# KiCad board VLF4_PCB.kicad_pcb (continued)
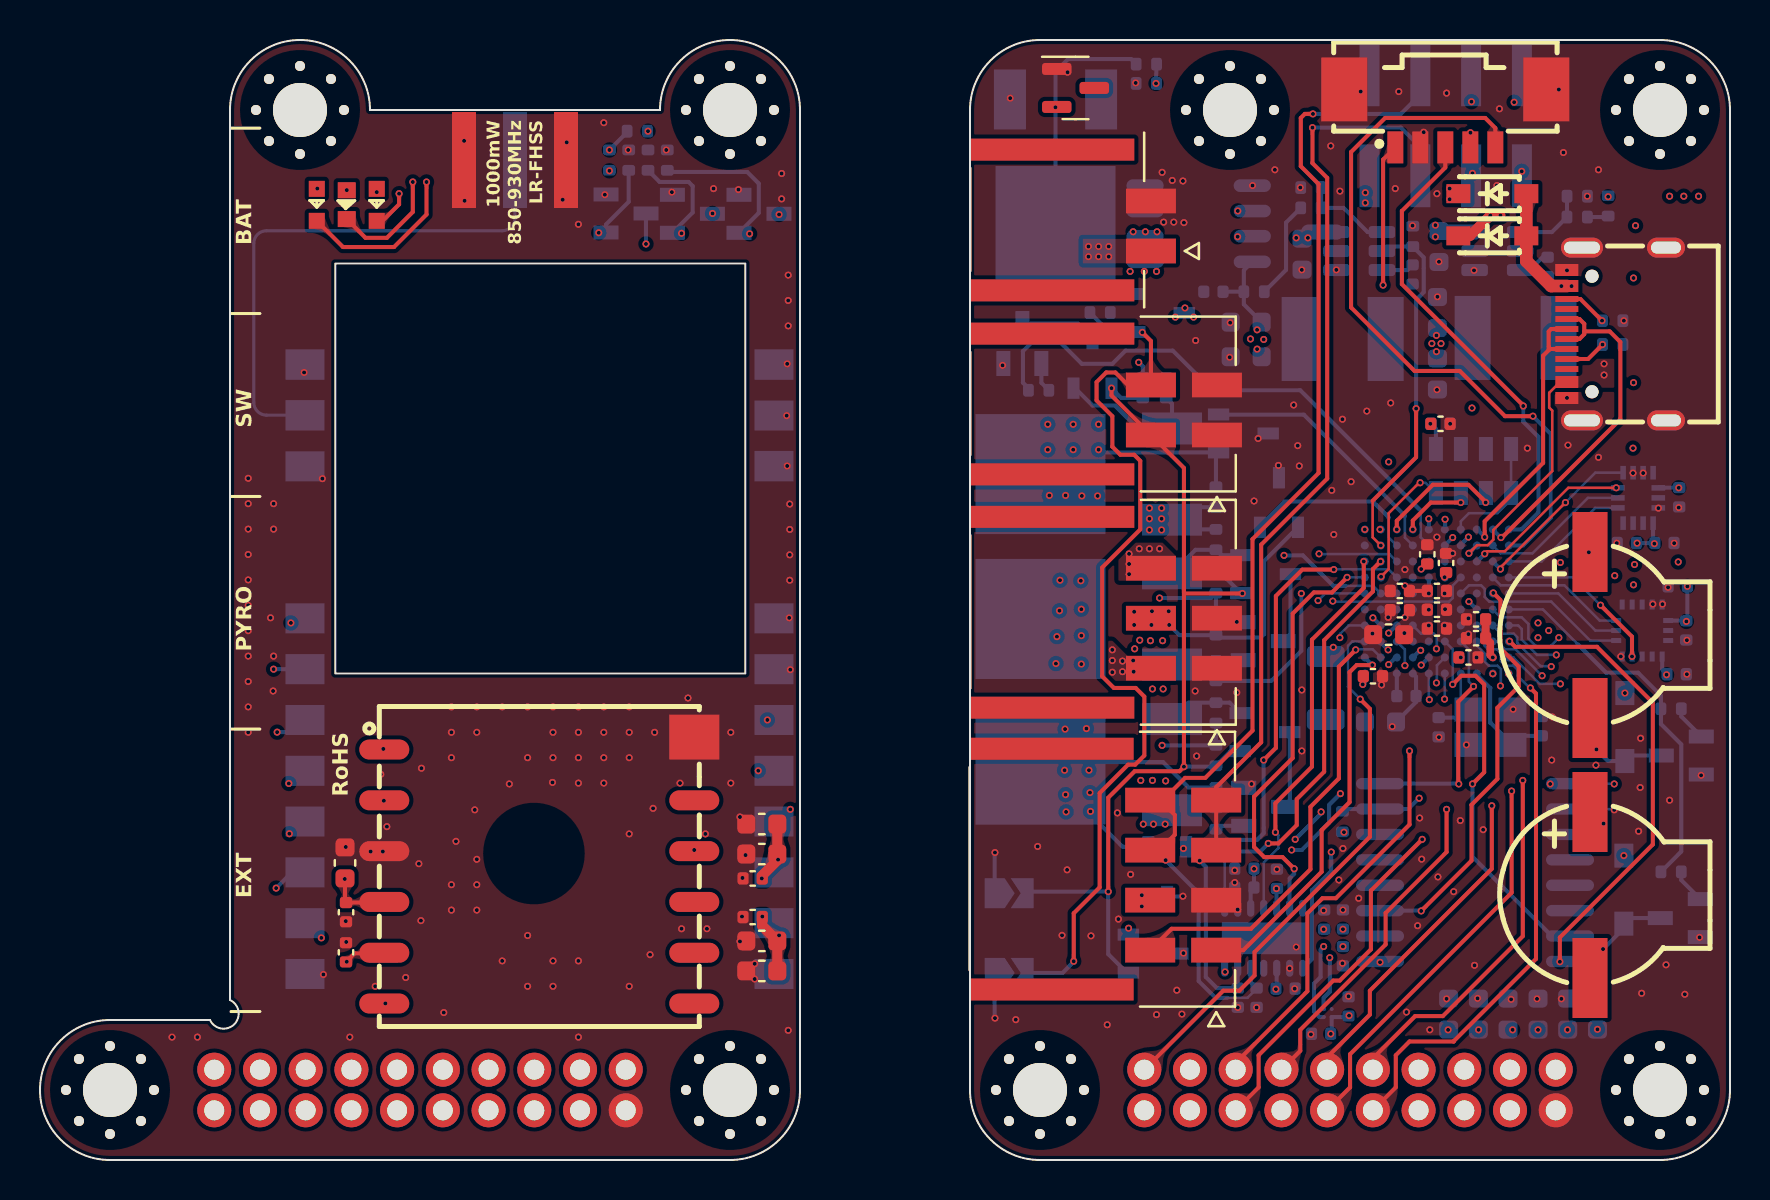
[diagram p0: board, top side]
## Routing (per net, layer and track width the routed paths; a pad name or vN(x,y) marks a point on that pad's centre or on a via; arc(x,y) is an arc through that point) (continued)
/Base Board/Pyro/PYRO_3: length 11.3
  Bottom w0.203: 58.94,33.81 R22.2 58.8,35.25 Q15.1 51.1,35.38 50.02,34.3
  vias: v1(50.39,36.79) v1(50.39,35.52) v1(50.47,33.23) v1(51.28,33.23) v1(51.66,36.79) v1(51.66,35.52) v1(52.09,33.2) v1(52.93,36.79) v1(52.93,35.52) v1(52.88,33.2) v1(54.45,30.31) v1(54.45,29.8) v1(54.45,29.29) v1(54.96,30.56) v1(55.47,30.56) v1(55.98,30.56)
/Base Board/Pyro/PYRO_PWR: length 16.9
  Bottom w0.203: R19.1 R20.1 55.14,39.68 v1(54.94,39.88) ; R11.1 R12.1 56.11,20.73 v1(56.1,20.73) ; Q4.2 58.68,17.49 R14.1 ; R22.1 57.23,32.64 Q14.2 57.09,31.53 R15.1 ; R18.1 R16.1 58.55,28.1 v1(55.98,28.1)
  vias: v1(54.5,44.43) v1(54.66,46.41) v1(54.73,25.56) v1(54.99,25.99) v1(55.04,18.98) v1(55.22,44.43) v1(55.17,16.8) v1(55.27,46.41) v1(55.47,32.59) v1(55.47,32.06) v1(55.47,31.5) v1(55.52,25.96) v1(55.62,23.55) v1(55.62,18.98) v1(55.67,16.8) v1(55.83,44.43) v1(55.85,46.41) v1(56.08,32.59) v1(56.08,32.06) v1(56.08,31.5) v1(56.13,25.96) v1(56.16,23.55) v1(56.28,18.95) v1(56.26,16.8)
/Base Board/RED_LED_CTRL: length 31.4
  In.Cu w0.203: J1.5 72.36,3.63 72.36,5.29 72.97,5.9 73.78,5.9 74.16,6.28 74.16,8.79 78.36,12.99 78.36,15.7 79.42,16.77 79.42,21.65 v1(75.82,25.25)
  Bottom w0.127: U9.A4 73.91,26.73 74.09,26.55 74.09,26.02 74.85,25.25 v1(75.82,25.25)
/Base Board/STM/EXT_1_UART_RX: length 23
  Top w0.203: v1(65.78,25.51) 64.94,24.67 64.94,19.08 63.52,17.66 63.52,14.53 60.55,11.56 56.58,11.56 J_EXT1.5
  Bottom w0.127: v1(65.78,25.51) 65.81,25.53 66.63,25.53 U9.J2
/Base Board/STM/EXT_1_UART_TX: length 19.3
  Top w0.203: v1(66.62,24.75) 65.83,24.75 65.48,24.39 65.48,17.89 64.08,16.49 64.08,14.41 60.16,10.49 J_EXT1.1
  Bottom w0.127: U9.K2 66.24,25.13
  Bottom w0.203: 66.24,25.13 v1(66.62,24.75)
/Base Board/STM/EXT_2_I2C_SCL: length 20
  In.Cu w0.127: v1(71.42,31.15) 71.41,31.16 71.41,32 71.47,32.06
  In.Cu w0.203: 71.47,32.06 71.47,32.71 73.53,34.76 73.53,38.49 74.09,39.05 v1(74.09,49.43)
  Bottom w0.127: U9.D9 71.04,30.77
  Bottom w0.203: 71.04,30.77 v1(71.42,31.15)
/Base Board/STM/EXT_2_I2C_SDA: length 23.6
  In.Cu w0.127: 70.58,31.1 70.62,31.13 70.62,33.14 71.29,33.81
  In.Cu w0.203: 71.29,33.81 72.89,35.41 72.89,38.97 73.48,39.55 73.48,52.66 v1(73.71,52.89)
  Bottom w0.203: 70.58,31.1 70.58,31.07 U9.E9
  vias: v1(70.63,31.12)
/Base Board/STM/EXT_2_UART_RX: length 18.8
  In.Cu w0.127: v1(70.25,32.04) 70.25,33.89
  In.Cu w0.203: 70.25,33.89 72.18,35.82 72.18,46.21 71.62,46.77 v1(71.62,49.33)
  Bottom w0.127: 70.25,31.54 U9.E10
  Bottom w0.203: v1(70.25,32.04) 70.25,31.54
/Base Board/STM/EXT_2_UART_TX: length 22.3
  In.Cu w0.127: 69.44,34.65 v1(69.44,32.06)
  In.Cu w0.203: 69.44,34.65 70.99,36.2 70.99,52.33 v1(71.57,52.91)
  Bottom w0.203: v1(69.44,32.06) U9.F10
/Base Board/STM/nRST: length 32.5
  Top w0.203: v1(67.15,43.74) 67.15,50.02 SWD1.1
  Ground1 w0.203: v1(71.6,37.6) 67.15,42.04 v1(67.15,43.74)
  In.Cu w0.127: v1(71.6,37.6) 71.6,36.23 69.82,34.45 69.82,31.83 70.25,31.4 70.25,29.9 69.82,29.47 69.82,26.42 69.44,26.04 69.44,25.1 70.23,24.31 v1(70.23,23.04)
  Bottom w0.127: U9.E1 70.24,23.06 v1(70.23,23.04)
/Base Board/STM/SWDCLK: length 36.3
  Top w0.203: SWD1.5 72.77,51.03 72.77,51.03 72.77,51.59 72.26,52.1 67.26,52.1 65.55,50.4 65.55,42.63 68.73,39.45 70.99,39.45 73.25,37.19 v1(74.65,37.19)
  Bottom w0.203: v1(74.65,37.19) 75.54,36.3 75.54,32.11 74.15,30.73 U9.A9
/Base Board/STM/SWDIO: length 23.8
  Top w0.203: SWD1.3 70.27,49.63 68.09,47.45 68.09,43.8 74.16,37.72 v1(74.16,37.7)
  Bottom w0.203: U9.A10 74.06,31.53 74.93,32.39 74.93,36.15 74.16,36.91 v1(74.16,37.7)
/Extension Board/BLUE_LED_CTRL: length 58.3
  In.Cu w0.203: v1(35.48,46.31) 35.91,45.88 35.91,21.29 21.28,6.66 21.28,3.62 J2.9
  Bottom w0.203: R31.1 31.44,49.4 35.36,49.4 35.94,48.82 35.94,47.35 Q20.1
/Extension Board/GPS_nRST: length 15.4
  Ground1 w0.203: J2.3 28.14,3.62 28.14,10.88 32.71,15.45 v1(32.71,15.5)
/Extension Board/GPS_PPS: length 5
  Ground1 w0.203: v1(17.27,7.83) 18.08,7.83 20.14,5.77 J2.10
/Extension Board/GPS_RX: length 17.6
  Ground1 w0.203: v1(17.17,20.55) 13.28,16.67 J2.16
/Extension Board/GPS_TX: length 25.1
  Ground1 w0.203: J2.18 11,16.11 16.76,21.88 17.42,21.88 18.18,21.11 18.18,18.93 17.22,17.96 v1(17.19,17.96)
/Extension Board/GREEN_LED_CTRL: length 65.8
  Power w0.203: J2.13 16.71,3.62 16.71,5.24 22.22,10.75 26.69,10.75 33.8,17.86 35.76,17.86 37.16,19.26 37.16,23.12 36.42,23.86 36.42,45.07 35.99,45.5 32.91,45.5 v1(32.08,46.34)
  Bottom w0.203: Q19.1 32.64,47.38 32.64,48.7 32.43,48.9 30.98,48.9 R30.1
/Extension Board/LORA_BUSY: length 15.4
  Ground2 w0.203: v1(11.81,13.59) 11.81,10.95 16.71,6.05 16.71,3.63 J2.11
  Bottom w0.203: 12.92,14.38 12.59,14.38 v1(11.81,13.59)
  Bottom w0.508: U11.14 12.92,14.38
/Extension Board/LORA_CS: length 28.4
  Ground2 w0.203: v1(12.54,26.85) 12.42,26.85 10.94,25.38 10.94,16.8 14.47,13.26 15.49,13.26 22.43,6.33 J2.8
/Extension Board/LORA_DIO1: length 8.2
  Ground2 w0.203: v1(14.07,11.11) 14.07,10.29 17.86,6.5 J2.12
/Extension Board/LORA_DIO2: length 22.3
  Power w0.203: v1(37.51,17.53) 36.24,16.26 34.54,16.26 23.57,5.29 23.57,3.62 J2.7
/Extension Board/LORA_MISO: length 17.9
  Power w0.203: 8.71,2.52 9.85,3.66 9.85,5.21 11.22,6.58 11.22,17.61 v1(12.44,18.83)
/Extension Board/LORA_MOSI: length 19.8
  Power w0.203: 8.71,4.55 8.71,4.86 10.31,6.46 10.31,19.84 v1(11.86,21.39)
  Bottom w0.203: v1(11.86,21.39) 12.64,21.39 U11.17
/Extension Board/LORA_nRST: length 17.6
  Ground2 w0.203: v1(12.47,16.31) 13.71,16.31 24.72,5.31 J2.6
/Extension Board/LORA_RXEN: length 35.9
  Power w0.203: v1(36.37,22) 24.76,22 14.68,11.92 14.68,7.47 14.42,7.22 14.42,3.62 J2.15
/Extension Board/LORA_SCK: length 25.5
  Power w0.203: J2.17 12.14,3.62 12.14,10.51 13.64,12.01 13.64,22.59 v1(11.68,24.54)
  Bottom w0.203: v1(11.68,24.54) 13.25,24.54 U11.18
/Extension Board/LORA_TXEN: length 28.7
  Power w0.203: v1(35.91,19.46) 30.52,19.46 27.99,16.93 27.99,14.08 25.9,11.99 22.27,11.99 15.57,5.29 J2.14
/Extension Board/RED_LED_CTRL: length 62.6
  In.Cu w0.203: v1(27.94,46.36) 29.54,47.96 35.1,47.96 36.8,46.26 36.8,18.07 25.85,7.12 25.85,3.62 J2.5
  Bottom w0.203: R29.1 29.44,47.91 28.3,46.78 Q18.1
Net-(C28-Pad1):
  vias: v1(70.23,29.14)
Net-(C29-Pad1): length 0.5
  Bottom w0.203: U9.F8 v1(69.06,29.55)
Net-(D3-+): length 3.6
  Bottom w0.203: Q16.3 79.52,20.22 D3.2 78.4,19.95 v1(77.82,20.53)
Net-(D4-+): length 3.6
  Bottom w0.203: v1(78.15,10.55) 79.19,11.59 D4.2 79.47,12.1 Q17.3
Net-(LED1-A): length 19.2
  Top w0.203: LED1.2 v1(15.34,48.49)
  Ground1 w0.203: v1(15.34,48.49) 18.23,51.39 25.25,51.39 27.79,48.85 29.13,48.85 30.4,50.12 v1(30.4,51.44)
Net-(LED1-C): length 25.8
  Top w0.203: v1(18.64,48.9) 18.64,47.4 17.34,46.11 16.28,46.11 LED1.1
  Ground1 w0.203: v1(18.64,48.9) 18.64,49.13 19.05,49.54 25.55,49.54 28.32,46.77 36.45,46.77 v1(36.95,47.28)
Net-(LED_G1-C): length 20.6
  Top w0.203: LED_G1.1 17.13,46.96 17.95,47.78 v1(17.95,48.32)
  Ground1 w0.203: v1(33.63,47.33) 33.55,47.4 28.47,47.4 25.45,50.42 18.67,50.42 17.95,49.71 v1(17.95,48.32)
Net-(LED_R1-A): length 17
  Top w0.203: LED_R1.2 13.85,48.56 v1(13.86,48.57)
  Ground1 w0.203: v1(28.47,49.46) 26.11,51.82 17.12,51.82 v1(13.86,48.57)
Net-(LED_R1-K): length 22.1
  Top w0.203: LED_R1.1 15.15,45.65 17.7,45.65 19.33,47.28 v1(19.33,48.9)
  Ground1 w0.203: v1(19.33,48.9) 23.52,48.9 26.62,45.8 v1(30.3,45.8)
  Bottom w0.203: v1(30.3,45.8) 30.3,47.32 Q18.3
Net-(Q4-G): length 4
  Bottom w0.203: Q5.2 59.48,22.87 R11.2 57.42,22.87 Q4.1
Net-(Q5-D): length 3.9
  Bottom w0.203: Q5.3 62.49,17.96 Q6.3
Net-(Q6-B): length 1.5
  Bottom w0.203: Q6.1 58.96,16.71 R13.1
Net-(Q8-D): length 3.5
  Bottom w0.203: Q8.3 62.53,26.31 Q9.3
Net-(Q9-B): length 1.4
  Bottom w0.203: R17.1 58.81,24.99 Q9.1
Net-(Q10-G): length 4
  Bottom w0.203: Q8.2 59.06,30.24 R15.2 57.78,30.51 Q10.1
Net-(Q12-D): length 3.8
  Bottom w0.203: Q12.3 52.63,41.08 51.88,41.82 Q13.3
Net-(Q12-S): length 7.4
  Bottom w0.203: Q12.2 51.76,38.59 52.63,37.72 53.75,37.72 54.9,36.58 Q14.1 56.6,37.81 R19.2
Net-(Q13-B): length 1.5
  Bottom w0.203: R21.1 50.07,38.86 Q13.1
Net-(Q16-B): length 1.8
  Bottom w0.203: R23.2 82.07,22.17 Q16.1
Net-(Q17-B): length 1.8
  Bottom w0.203: Q17.1 82.07,13.99 R24.2
Net-(R5-Pad1): length 1.1
  Bottom w0.203: R6.1 78.36,47.15 R5.1
Net-(R8-Pad1): length 4.9
  Bottom w0.203: R8.1 63.04,47.6 62.3,46.87 62.3,44.5 R9.1
Net-(U2-BST): length 1.6
  Bottom w0.203: 75.38,45.14 75.13,45.14 74.48,44.5 U2.6
Net-(U2-FB): length 3.7
  Bottom w0.203: U2.4 75.6,46.4 R5.2 76.35,47.15 R4.2
Net-(U3-BST): length 1.6
  Bottom w0.203: U3.6 68.37,44.5 C7.1
Net-(U3-FB): length 4.6
  Bottom w0.203: U3.4 66.38,46.4 65.17,47.61 R8.2 R7.2
Net-(U9-PH0): length 6
  Bottom w0.203: U9.C1 71.84,24.28 72.51,23.6 72.51,21.87 X1.3 74.07,21.21 C32.1
Net-(U9-PH1): length 3.6
  Bottom w0.127: U9.D1 71.04,22.9
  Bottom w0.203: C33.1 71.02,22.12 X1.1 71.04,22.9
Net-(U9-VDDA): length 1.1
  Bottom w0.203: C24.1 67.84,24.33 U9.H1
Net-(U11-ANT): length 27.6
  Bottom w0.156: U11.21 13.24,37.24 11.32,37.24 arc(10.88,37.43) 10.69,37.88 10.69,45.83 arc(10.88,46.28) 11.32,46.46 23.11,46.46 arc(23.56,46.65) 23.75,47.1 23.75,50 RF1.5
Net-(USB1-CC1): length 2.1
  Top w0.203: USB1.A5 77.4,40.05 v1(78.13,40.77)
Net-(USB1-CC2): length 2.2
  Top w0.203: v1(78.1,41.97) 77.02,43.05 USB1.B5

## Copper pours and planes (outline as drawn; the poured copper is in the pictures)
/Base Board/GND on Top, Bottom, Ground1, In.Cu, Ground2: 75.33,60.71 87.07,59.36 87.88,-2.49 42.19,-2.16 43.13,59.9
/Base Board/Peripherals/3V3 on Top: 69.64,25.79 69.64,28.83 68.2,28.83 68.2,27.11 67.74,26.73 67.74,25.79
/Base Board/Peripherals/3V3 on Bottom: 72.44,5.97 74.85,3.56 71.4,3.56 71.4,4.63 69.9,6.13 69.9,6.99 72.44,6.99
/Base Board/Peripherals/3V3 on Bottom: 72.51,43.21 70.74,43.21 69.39,41.87 69.39,40.34 70.74,38.99 72.51,38.99
/Base Board/Peripherals/3V3 on Bottom: 63.9,11.82 65.78,11.82 66.14,11.46 66.14,10.93 65.6,10.39 64.82,10.39 63.9,11.31
/Base Board/Peripherals/3V3 on In.Cu: 85.7,48.7 85.7,24.19 85.09,23.58 74.22,23.58 74.22,34.68 78.74,34.68 78.74,48.7
/Base Board/Peripherals/3V3 on Power: 43.84,58.55 43.84,-1.16 43.91,-1.24 86.15,-1.24 88.03,0.64 88.03,57.72
/Base Board/Peripherals/5V on Bottom: 63.88,43.16 60.71,43.16 60.5,42.93 60.5,38.94 63.85,38.94 63.88,38.97
/Base Board/Peripherals/5V on Bottom: 76.2,3.56 75.36,3.56 72.74,6.18 72.74,6.99 78.51,6.99 78.51,5.87
/Base Board/Peripherals/5V on Power: 62.25,15.27 61.24,15.27 61.24,12.93 62.25,12.93 62.25,7.91 55.77,7.91 55.77,40.32 62.25,40.32
/Base Board/Peripherals/5V on Power: 73.5,3.51 84.68,3.51 84.68,47.66 62.18,47.66 56.21,41.69 56.21,39.88 68.93,39.88 68.93,41.71 70.71,41.71 70.71,39.88 75.84,39.88 75.84,9.38 73.5,7.04
/Extension Board/5V on Ground1: 28.14,3.54 32.86,3.54 38.17,8.85 38.17,17.4 38.1,17.48 35.91,17.48 35.91,12.96 28.14,5.21
/Extension Board/GND on Top, Bottom, Ground1, In.Cu, Power, Ground2: 39.93,58.83 -1.02,58.83 -1.02,-2.53 -0.66,-2.89 39.01,-2.89 40.2,-1.7 40.2,58.55
/Base Board/Power/PWR_IN on Top: 55.72,46.06 52.14,46.06 52.14,44.84 55.72,44.84
/Base Board/Power/SW_BAT on Power, Ground2: 70.68,45.65 70.68,48.77 46.38,48.77 45.21,47.61 45.21,13.26 46.1,12.38 57.04,12.38 57.04,16.13 51.86,16.13 51.86,41.94 57.78,41.94 60.3,44.46 60.3,45.65
/Base Board/Power/USB_IN on Top: 75.76,39.2 76.58,39.2 77.09,39.71 77.09,40.06 78.74,40.06 78.74,38.61 76.35,38.61
/Base Board/Power/USB_IN on Bottom: 75.74,44.07 77.8,44.07 77.8,40.65 78.61,39.83 78.61,38.92 75.74,38.92
/Base Board/Pyro/PYRO_1 on Top: 56.79,25.2 54.38,25.2 53.62,25.96 53.23,25.96 53.23,23.96 56.79,23.96
/Base Board/Pyro/PYRO_1 on Ground1, In.Cu: 56.79,25.86 46.76,25.86 46.76,16.77 53.26,16.77 53.26,20.5 56.79,23.98
/Base Board/Pyro/PYRO_2 on Ground1, In.Cu: 53.26,30.05 53.26,28.78 53.62,28.43 56.79,28.43 56.79,25.74 53.59,25.74 53.26,25.41 53.26,24.06 46.76,24.06 46.76,30.05
/Base Board/Pyro/PYRO_3 on Top: 56.79,28.96 56.79,30.21 56.13,30.87 54.12,30.87 53.92,30.66 53.92,28.96
/Base Board/Pyro/PYRO_3 on Ground1, In.Cu: 56.79,30.21 53.26,33.74 53.26,37.29 46.76,37.29 46.76,28.25 56.79,28.25
/Base Board/Pyro/PYRO_PWR on Bottom: 56.49,19.36 54.66,19.36 54.66,16.49 56.49,16.49
/Base Board/Pyro/PYRO_PWR on Bottom: 56.49,26.24 54.56,26.24 54.56,23.27 56.49,23.27
/Base Board/Pyro/PYRO_PWR on Bottom: 56.49,46.64 54.05,46.64 54.05,43.06 53.46,42.47 53.46,42.07 56.49,42.07
/Base Board/Pyro/PYRO_PWR on Power, Ground2: 56.49,46.64 56.49,16.13 51.86,16.13 51.86,46.64
Net-(Q1-S) on Bottom: 53.79,53.09 56.49,50.4 56.49,46.97 54.2,46.97 54.2,49.89 52.24,51.85 52.24,53.09
Net-(U2-SW) on Bottom: 71.24,45.75 73.17,45.75 73.17,44.23 73.38,44.02 75.99,44.02 76.83,43.19 76.83,38.99 72.72,38.99 72.72,43.31 72.41,43.62 72.41,45.14 71.85,45.14
Net-(U3-SW) on Bottom: 64.46,45.75 66.24,45.75 66.24,44.18 69.06,44.18 69.06,43.39 68.17,42.5 68.17,38.97 64.16,38.97 64.16,43.16 65.71,44.71 65.71,45.14 64.46,45.14
Net-(U9-VDDA) on Bottom: 68.22,23.65 63.22,23.65 63.22,21.44 66.6,21.44 68.22,23.07

Small or netless copper shapes (teardrops, artwork), in the pictures only: 110 on Top, 346 on Bottom, 25 on Ground1, 83 on In.Cu, 14 on Power, 8 on Ground2

## Text on the board
B.Silkscreen: ARM | PWR
F.Mask: r1 | Void Lake Fusion 4
F.Silkscreen: 1000mW / 850-930MHz / LR-FHSS | BAT | SW | PYRO | EXT | RoHS
